# Altium PCB quahardware.PcbDoc
Units mm, origin at the board's own origin, x right, y up, seen from the top; angles counter-clockwise.
Board outline 80 x 75 mm, 2 copper layers (Top Layer, Bottom Layer); 57 components, 46 nets, 248 pads, 42 vias.
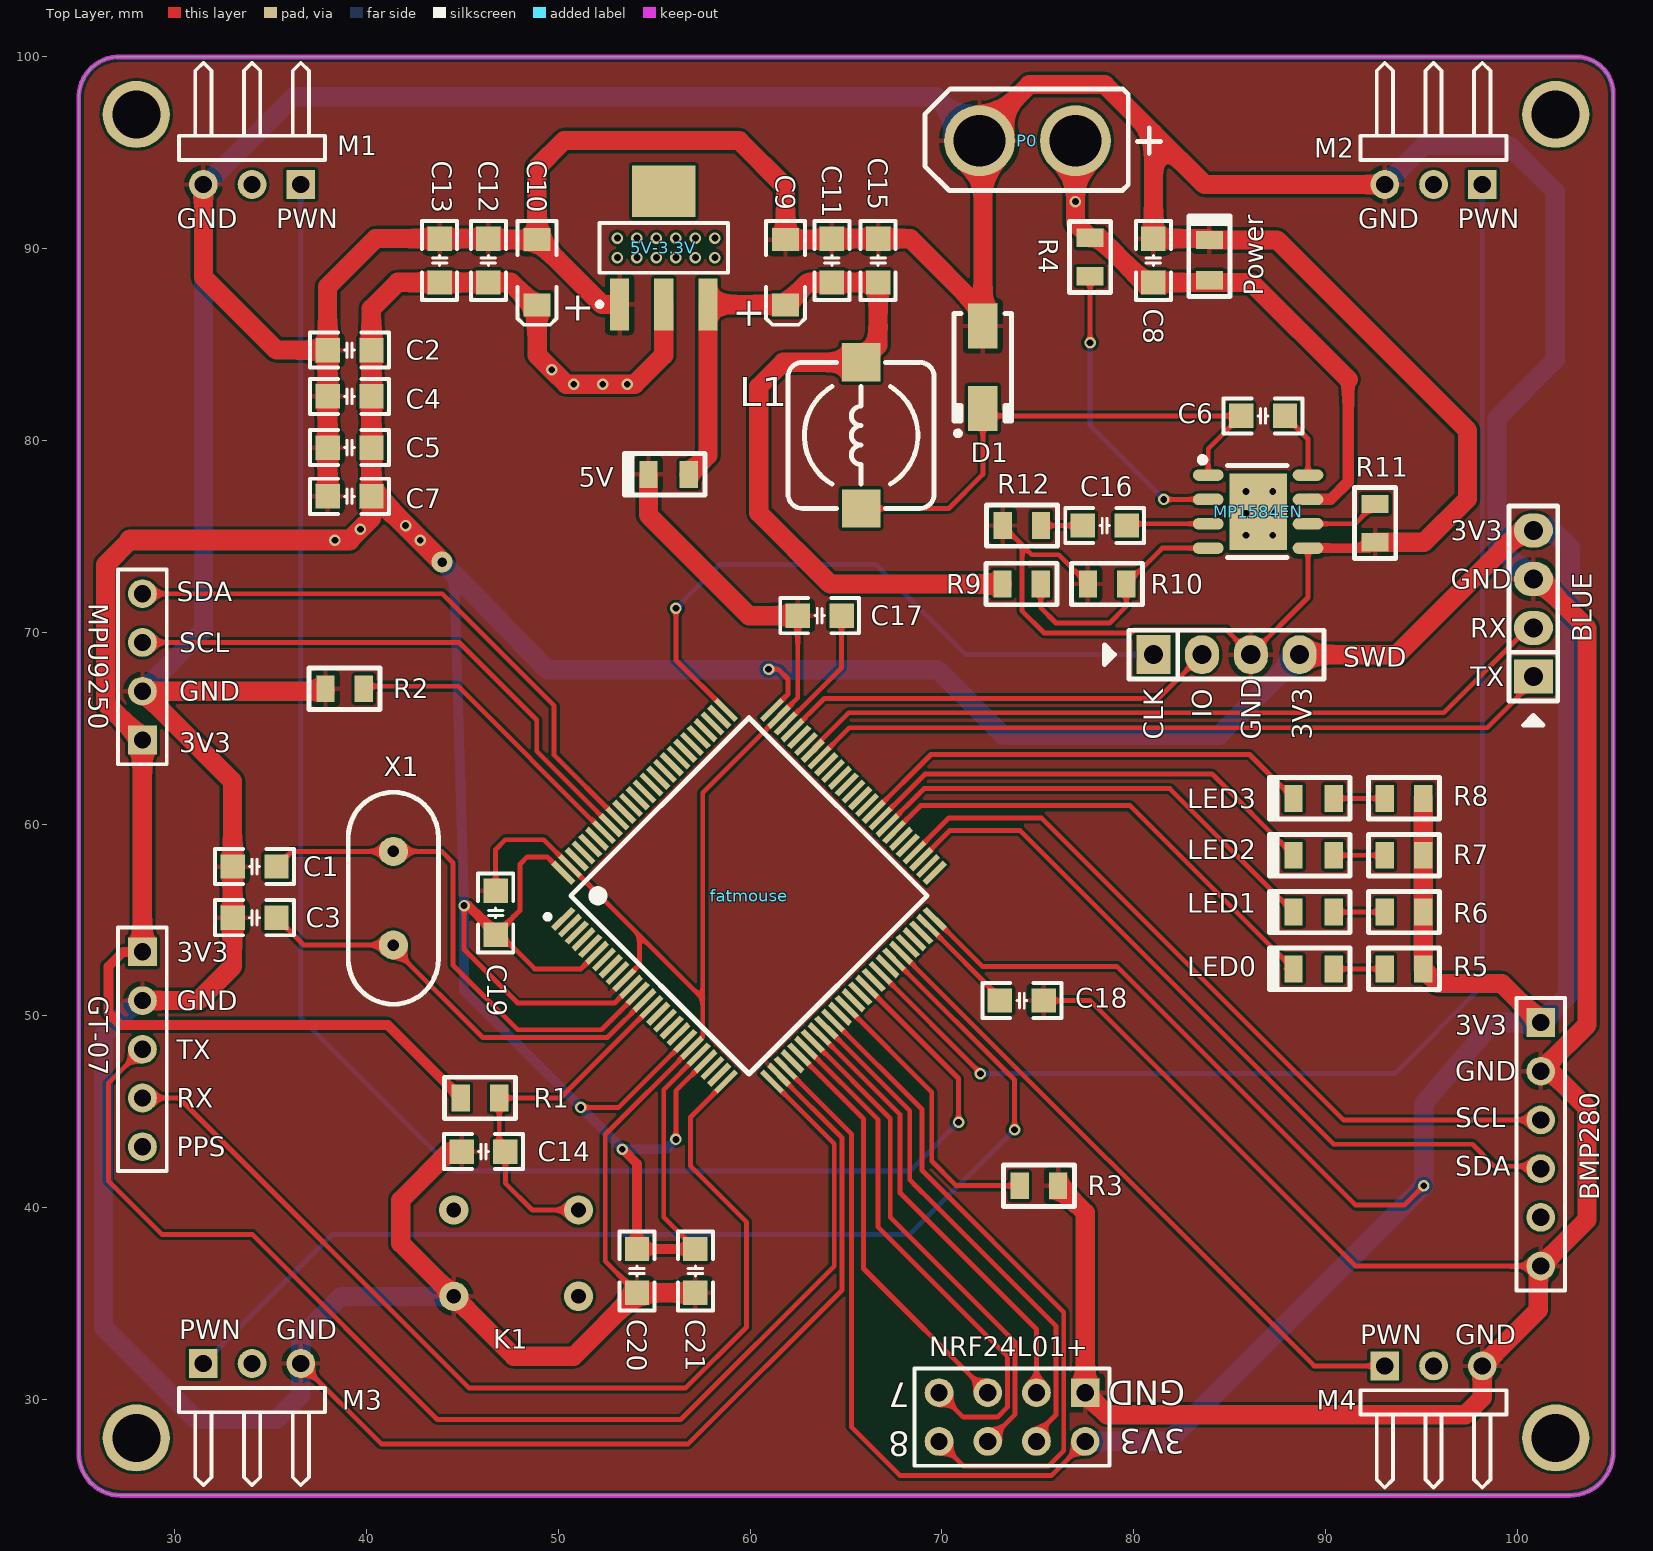
[diagram p0: Top Layer view]
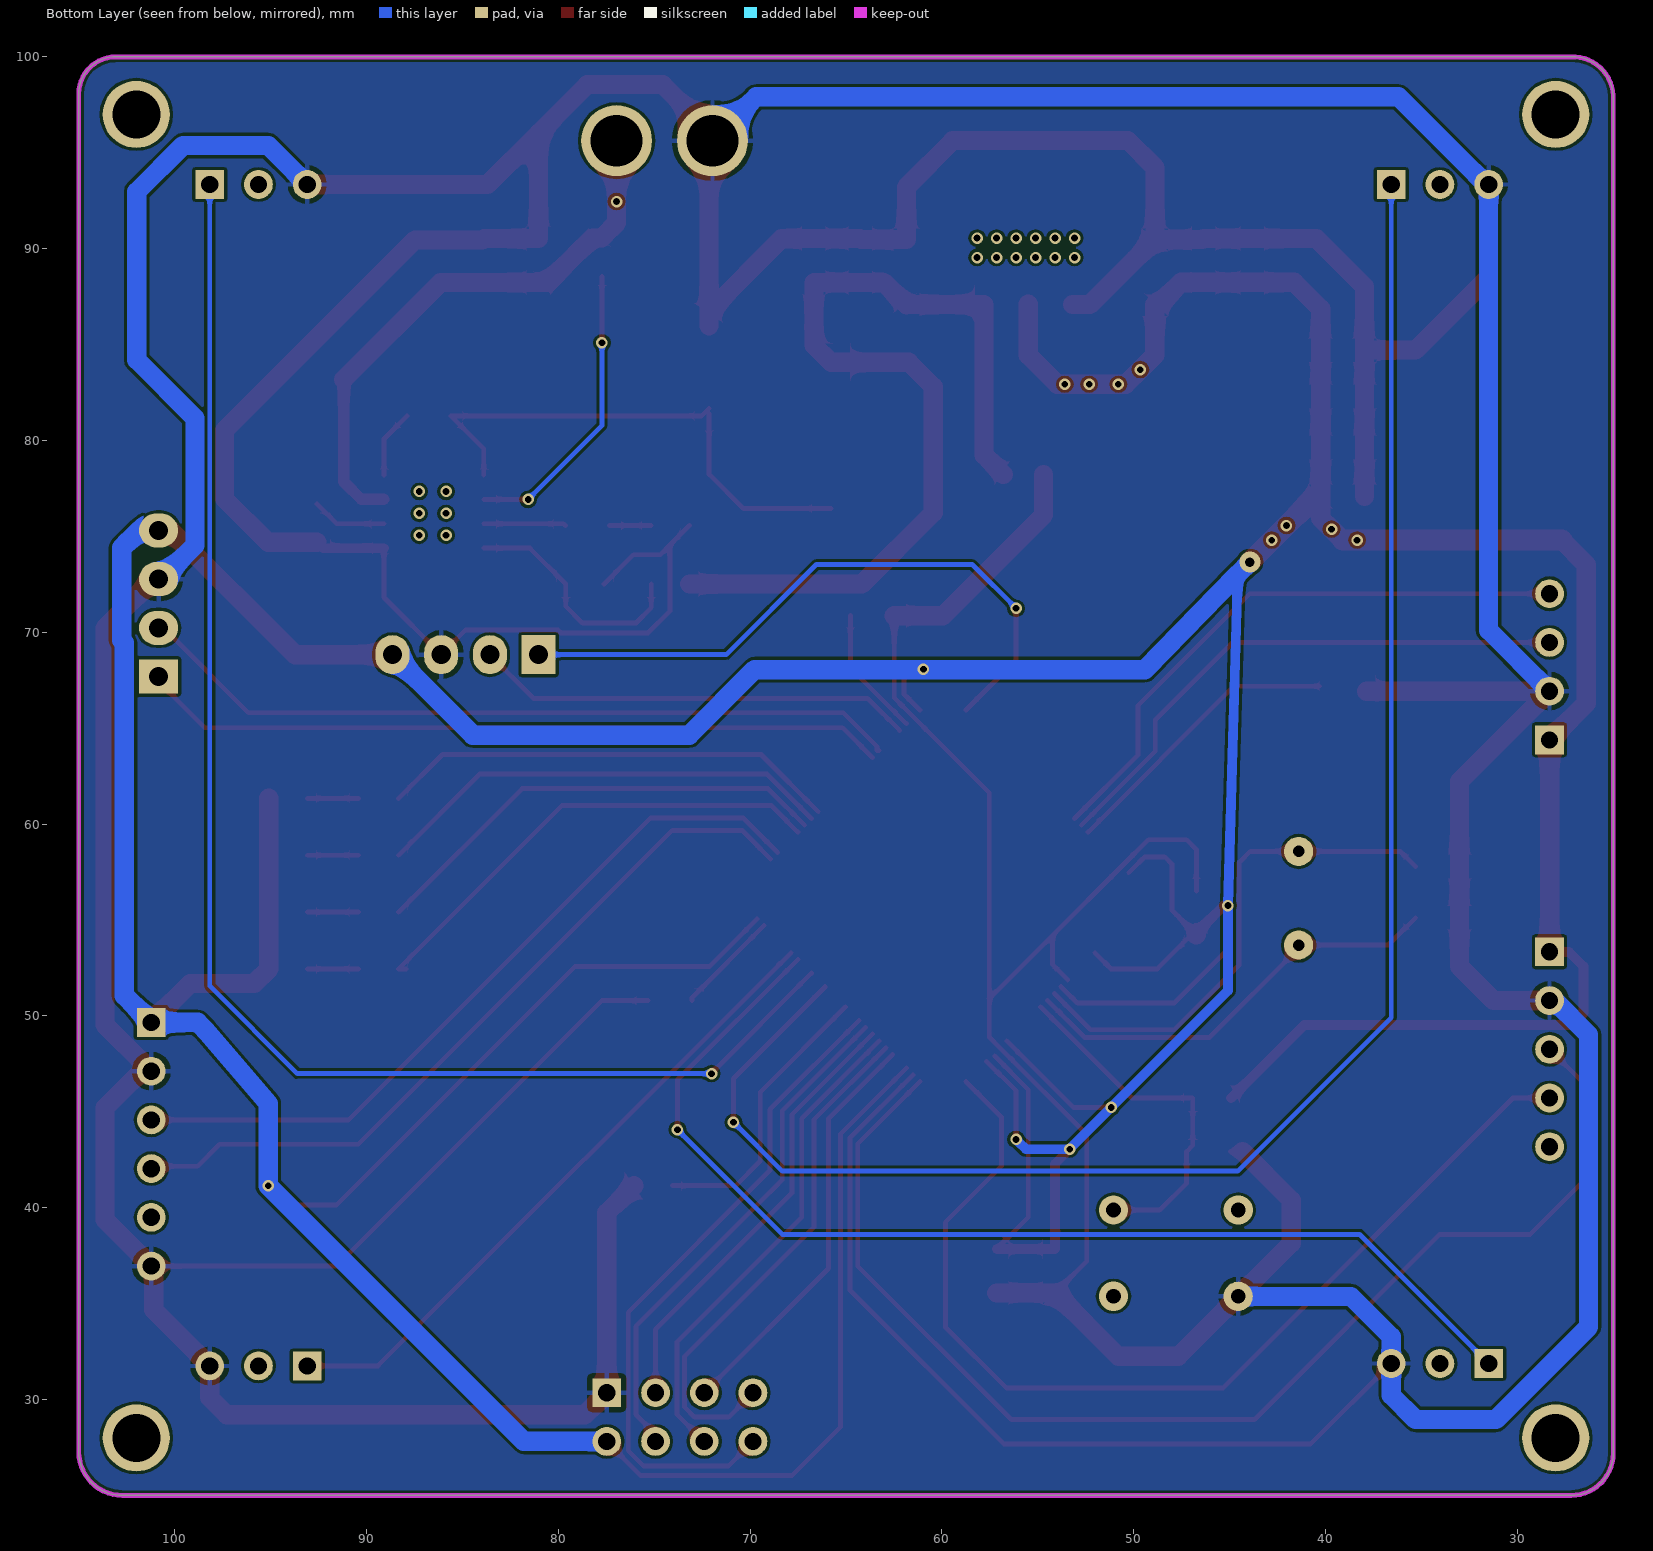
[diagram p1: Bottom Layer view, seen from below]
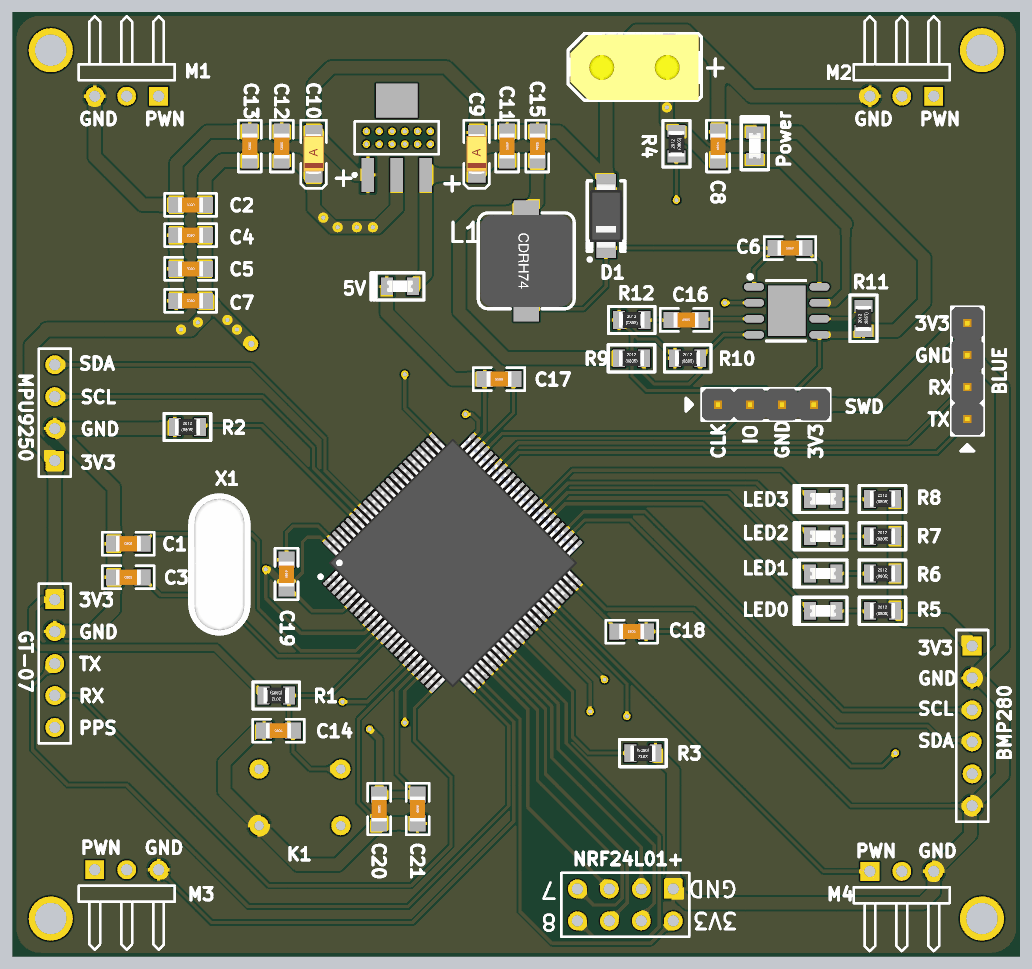
[diagram p2: 3D render of the assembled board from above, using the file's embedded part models]

## Layer stack, top to bottom
Top Solder: solder mask 0.0102, Solder Resist, Dk 3.5
Top Layer: signal copper 0.0356
Dielectric 1: dielectric 0.32, FR-4, Dk 4.8
Bottom Layer: signal copper 0.0356
Bottom Solder: solder mask 0.0102, Solder Resist, Dk 3.5

## Board outline
25,27.197 25,97.981 cw(c27.126,97.882) 26.975,100.004 26.975,100 103.073,100 cw(c103.073,98.073) 105,98.073 105,27.276 cw(c102.724,27.276) 102.724,25 27.197,25 cw(c27.197,27.197)

## Design rules (kind name [scope] priority, off if disabled: settings)
Clearance [All] p1: gap=0.147 ignorepadtopadclearanceinfootprint=FALSE
PolygonConnect [All] p1: connectstyle=Relief reliefconductorwidth=0.254 reliefentries=4 polygonreliefangle="90 Angle" airgapwidth=0.254
RoutingVias [All] p1: holewidth=0.711 width=1.27 viastyle="Through Hole" minholewidth=0.711 minwidth=1.27 maxholewidth=0.711 maxwidth=1.27
SolderMaskExpansion [All] p1: expansion=0.102
Width [InNet('3.3V')] p1: maxlimit=2.54 minlimit=0.254 preferedwidth=1.016
30 further rules are at their usual default settings.

## Components (designator, comment, footprint, x,y, rotation, side; value= is the part's Value field where it differs from the comment)
5V "BLUE" LED-0805 55.753,78.232 r180 top (schematic designator LED6)
5V-3.3V "LM1117-3.3" SOT223_M 55.499,90.043 r90 top
BLUE "Header 4" PIN-4-2.54-1.0 100.838,71.501 r90 top
BMP280 "Header 6" HDR1X6 101.219,49.657 r270 top
C1 "Cap" "C 0805" 34.163,57.785 r0 top value=22pF
C2 "Cap" "C 0805" 39.116,84.709 r180 top value=100pF
C3 "Cap" "C 0805" 34.163,55.118 r0 top value=22pF
C4 "Cap" "C 0805" 39.116,82.296 r180 top value=100pF
C5 "Cap" "C 0805" 39.116,79.629 r180 top value=100pF
C6 "Cap" "C 0805" 86.741,81.28 r180 top value=100nF
C7 "Cap" "C 0805" 39.116,77.089 r180 top value=100pF
C8 "Cap" "C 0805" 81.026,89.381 r90 top value=10uF
C9 "10uF" "CD A(3216)" 61.849,88.773 r90 top
C10 "10uF" "CD A(3216)" 48.895,88.773 r90 top
C11 "0.01uF" "C 0805" 64.262,89.381 r270 top
C12 "0.01uF" "C 0805" 46.355,89.381 r270 top
C13 "0.01uF" "C 0805" 43.815,89.381 r270 top
C14 "Cap" "C 0805" 46.101,42.926 r0 top value=100pF
C15 "Cap" "C 0805" 66.675,89.381 r90 top value=22uF
C16 "Cap" "C 0805" 78.486,75.565 r0 top value=150pF
C17 "Cap" "C 0805" 63.627,70.866 r180 top value=2.2uF
C18 "Cap" "C 0805" 74.168,50.8 r0 top value=2.2uF
C19 "Cap" "C 0805" 46.736,55.372 r90 top value=100nF
C20 "Cap" "C 0805" 54.102,36.703 r90 top value=1uF
C21 "Cap" "C 0805" 57.15,36.703 r90 top value=100nF
D1 "D Schottky" SMA 72.136,83.82 r270 top
fatmouse "STM32F407VET6" QFP-100-0.5 59.944,56.261 r45 top
GT-07 "Header 5" HDR1X5 28.321,53.34 r270 top
K1 "KEY_L" key 51.054,39.878 r180 top (schematic designator KEY1)
L1 "Inductor" CDRH74 65.786,80.264 r90 top value=4.7uH
LED0 "BLUE" LED-0805 89.374,52.451 r180 top
LED1 "BLUE" LED-0805 89.374,55.414 r180 top
LED2 "BLUE" LED-0805 89.374,58.378 r180 top
LED3 "BLUE" LED-0805 89.374,61.341 r180 top
M1 "Header 3H" HDR1X3H 36.576,93.345 r180 top (schematic designator MOTOR1)
M2 "Header 3H" HDR1X3H 98.171,93.345 r180 top (schematic designator MOTOR2)
M3 "Header 3H" HDR1X3H 31.496,31.877 r0 top (schematic designator MOTOR3)
M4 "Header 3H" HDR1X3H 93.091,31.75 r0 top (schematic designator MOTOR4)
MP1584EN "MP1584EN" LC-SOIC-8_EP_150mil 86.487,76.29 r270 top
MPU9250 "Header 4" HDR1X4 28.321,64.389 r90 top
NRF24L01+ "Header 4X2" HDR2X4 77.47,30.353 r180 top
P0 "Header 2" xt30 76.962,95.631 r180 top
Power "BLUE" LED-0805 83.947,89.408 r90 top (schematic designator LED5)
R1 "Res1" 0805 45.919,45.72 r180 top value=1K
R2 "Res1" 0805 38.862,67.056 r0 top value=1K
R3 "Res1" 0805 75.057,41.148 r180 top value=1K
R4 "Res1" 0805 77.724,89.563 r90 top value=100K
R5 "Res1" 0805 94.091,52.451 r0 top value=1K
R6 "Res1" 0805 94.091,55.414 r0 top value=1K
R7 "Res1" 0805 94.091,58.378 r0 top value=1K
R8 "Res1" 0805 94.091,61.341 r0 top value=1K
R9 "Res1" 0805 74.152,72.517 r0 top value=201K
R10 "Res1" 0805 78.613,72.517 r0 top value=40.2K
R11 "Res1" 0805 92.583,75.692 r90 top value=100K
R12 "Res1" 0805 74.168,75.565 r0 top value=100K
SWD "Header 4" PIN-4-2.54-1.0 84.836,68.834 r0 top
X1 "8MHz" HC49S 41.402,56.134 r270 top

## Footprints (in the part's own frame and the unit in brackets; to place one, negate y for a bottom-side part, rotate by r counter-clockwise, add the part's x,y. Pads: shape width x height; smd on the part's side, far side on the other; paste and mask are expansions set on the pad)
0805 [mm] "SMD, 0805"
  rect 0.95x1.4 smd: 1(-1,0) 2(1,0)
  silkscreen extent -1.85,-1.08 1.85,1.08, body extent -1,-0.62 1,0.63, height 0.45
"C 0805" [mil] "无极性贴片电容"
  rect 50x50 smd: 1(-45,0) 2(45,0)
  silkscreen extent -81,-36 81,36, body extent -39,-24 39,24, height 20
"CD A(3216)" [mm] "长3.2mm，宽1.6mm，厚1.6mm"
  rect 1.2x1.4 smd: 1(-1.7,0) 2(1.7,0)
  silkscreen extent -2.74,-1.02 2.67,1.02, body extent -1.6,-0.8 1.6,0.8, height 1.6
CDRH74 [mm] "7.3*7.3*4.5mm（长宽高）"
  rect 2x2 smd: 1(-3.81,0) 2(3.81,0)
  silkscreen extent -3.81,-3.81 3.81,3.81, body extent -3.65,-3.65 3.65,3.65, height 4.5
HC49S [mm] "CRYSTAL"
  round 1.524 hole 0.6: 1(-2.44,0) 2(2.44,0)
  silkscreen extent -5.52,-2.35 5.52,2.35, body extent -5.49,-2.24 5.49,2.25, height 3.6
HDR1X3H [mm] "Connector; Header; 3 Position; Right Angle"
  rect 1.5x1.5 hole 0.9: 1(0,0)
  round 1.5 hole 0.9: 2(2.54,0) 3(5.08,0)
  silkscreen extent -1.27,-6.35 6.35,-1.27
HDR1X4 [mm] "Connector; Header; 4 Position"
  rect 1.5x1.5 hole 0.9: 1(0,0)
  round 1.5 hole 0.9: 2(2.54,0) 3(5.08,0) 4(7.62,0)
  silkscreen extent -1.27,-1.27 8.89,1.27
HDR1X5 [mm] "Connector; Header; 5 Position"
  rect 1.5x1.5 hole 0.9: 1(0,0)
  round 1.5 hole 0.9: 2(2.54,0) 3(5.08,0) 4(7.62,0) 5(10.16,0)
  silkscreen extent -1.27,-1.27 11.43,1.27
HDR1X6 [mm] "Connector; Header; 6 Position"
  rect 1.5x1.5 hole 0.9: 1(0,0)
  round 1.5 hole 0.9: 2(2.54,0) 3(5.08,0) 4(7.62,0) 5(10.16,0) 6(12.7,0)
  silkscreen extent -1.27,-1.27 13.97,1.27
HDR2X4 [mm] "Connector; Header; 4x2 Position"
  rect 1.5x1.5 hole 0.9: 1(0,0)
  round 1.5 hole 0.9: 2(0,2.54) 3(2.54,0) 4(2.54,2.54) 5(5.08,0) 6(5.08,2.54) 7(7.62,0) 8(7.62,2.54)
  silkscreen extent -1.27,-1.27 8.89,3.81
key [mil]
  round 60 hole 30: 1(255.91,177.17) 2(0,0)
LC-SOIC-8_EP_150mil [mm]
  rect 4x3 smd: 0(0,0)
  oval 0.6x1.6 smd: 1(-1.905,-2.6) 2(-0.635,-2.6) 3(0.635,-2.6) 4(1.905,-2.6) 5(1.905,2.6) 6(0.635,2.6) 7(-0.635,2.6) 8(-1.905,2.6)
  silkscreen extent -2.85,-3.05 2.4,1.5
LED-0805 [mm] "LED, SMD, 0805"
  rect 0.95x1.4 smd: 1(-1.05,0) 2(1.05,0)
  silkscreen extent -1.9,-1.08 2.3,1.08, body extent -1.03,-0.46 1.03,0.45, height 0.85
PIN-4-2.54-1.0 [mil] "Pin Header"
  rect 70x80 hole 39.37: 1(-150,0)
  oval 70x80 hole 39.37: 2(-50,0) 3(50,0) 4(150,0)
  silkscreen extent -250,-50 200,50, body extent -200,-50 200,50, height 398
QFP-100-0.5 [mm] "QFP-100"
  rect 1.5x0.3 smd: 1(-7.7,6) 2(-7.7,5.5) 3(-7.7,5) 4(-7.7,4.5) 5(-7.7,4) 6(-7.7,3.5) 7(-7.7,3) 8(-7.7,2.5) 9(-7.7,2) 10(-7.7,1.5) 11(-7.7,1) 12(-7.7,0.5) 13(-7.7,0) 14(-7.7,-0.5) 15(-7.7,-1) 16(-7.7,-1.5) 17(-7.7,-2) 18(-7.7,-2.5) 19(-7.7,-3) 20(-7.7,-3.5) 21(-7.7,-4) 22(-7.7,-4.5) 23(-7.7,-5) 24(-7.7,-5.5) 25(-7.7,-6) 51(7.7,-6) 52(7.7,-5.5) 53(7.7,-5) 54(7.7,-4.5) 55(7.7,-4) 56(7.7,-3.5) 57(7.7,-3) 58(7.7,-2.5) 59(7.7,-2) 60(7.7,-1.5) 61(7.7,-1) 62(7.7,-0.5) 63(7.7,0) 64(7.7,0.5) 65(7.7,1) 66(7.7,1.5) 67(7.7,2) 68(7.7,2.5) 69(7.7,3) 70(7.7,3.5) 71(7.7,4) 72(7.7,4.5) 73(7.7,5) 74(7.7,5.5) 75(7.7,6)
  rect 0.3x1.5 smd: 26(-6,-7.7) 27(-5.5,-7.7) 28(-5,-7.7) 29(-4.5,-7.7) 30(-4,-7.7) 31(-3.5,-7.7) 32(-3,-7.7) 33(-2.5,-7.7) 34(-2,-7.7) 35(-1.5,-7.7) 36(-1,-7.7) 37(-0.5,-7.7) 38(0,-7.7) 39(0.5,-7.7) 40(1,-7.7) 41(1.5,-7.7) 42(2,-7.7) 43(2.5,-7.7) 44(3,-7.7) 45(3.5,-7.7) 46(4,-7.7) 47(4.5,-7.7) 48(5,-7.7) 49(5.5,-7.7) 50(6,-7.7) 76(6,7.7) 77(5.5,7.7) 78(5,7.7) 79(4.5,7.7) 80(4,7.7) 81(3.5,7.7) 82(3,7.7) 83(2.5,7.7) 84(2,7.7) 85(1.5,7.7) 86(1,7.7) 87(0.5,7.7) 88(0,7.7) 89(-0.5,7.7) 90(-1,7.7) 91(-1.5,7.7) 92(-2,7.7) 93(-2.5,7.7) 94(-3,7.7) 95(-3.5,7.7) 96(-4,7.7) 97(-4.5,7.7) 98(-5,7.7) 99(-5.5,7.7) 100(-6,7.7)
  silkscreen extent -8.33,-6.57 6.57,6.78, body extent -8.02,-8.02 8.01,8.01, height 1.6
SMA [mm] "DO-214AC"
  rect 2.35x1.55 smd: 1(-2.15,0) 2(2.15,0)
  silkscreen extent -2.8,-1.5 3.58,1.5, body extent -2.6,-1.3 2.6,1.3, height 2.64
SOT223_M [mm] "SOT223, 4-Leads, Body 6.5x3.5mm, Pitch 2.3mm, Lead Span 7mm, IPC Low Density"
  rect 2.7x1 smd: 1(-2.95,2.3) 2(-2.95,0) 3(-2.95,-2.3)
  rect 2.7x3.3 smd: 4(2.95,0)
  silkscreen extent -3.07,-3.35 1.3,3.47, body extent -1.85,-3.35 1.85,3.35, height 1.7
xt30 [mm]
  round 3.7 hole 2.7: 1(0,0) 2(5,0)
  silkscreen extent -4.45,-2.7 7.85,2.6, body extent -2.62,-2.7 7.78,2.6, height 12.6

## Part data
5V LED0 LED1 LED2 LED3 Power: library part LED
BLUE MPU9250 SWD: "Header, 4-Pin", LatestRevisionDate=17-Jul-2002, LatestRevisionNote="Re-released for DXP Platform.", Publisher="Altium Limited"
BMP280: "Header, 6-Pin", LatestRevisionDate=17-Jul-2002, LatestRevisionNote="Re-released for DXP Platform.", Publisher="Altium Limited"
C1 C2 C3 C4 C5 C6 C7 C8 C14 C15 C16 C17 C18 C19 C20 C21: "Capacitor", LatestRevisionDate=17-Jul-2002, LatestRevisionNote="Re-released for DXP Platform.", PackageDescription="Radial Cap, Thru-Hole; 2 Leads; 0.3 in Pin Spacing", PackageReference=RAD-0.3, Published=8-Jun-2000, Publisher="Altium Limited"
C9 C10: library part CAP
C11 C12 C13: library part C
D1: "Schottky Diode", Code_JEDEC=DO-214-AA, LatestRevisionDate=17-Jul-2002, LatestRevisionNote="Re-released for DXP Platform.", PackageDescription="DO-214-AA/SMB; 2 C-Bend Leads; Body 5.3 x 3.6 mm, inc. leads (LxW)", PackageReference=SMB, Published=8-Jun-2000, Publisher="Altium Limited"
GT-07: "Header, 5-Pin", LatestRevisionDate=17-Jul-2002, LatestRevisionNote="Re-released for DXP Platform.", Publisher="Altium Limited"
K1: library part KEY
M1 M2 M3 M4: "Header, 3-Pin, Right Angle", LatestRevisionDate=17-Jul-2002, LatestRevisionNote="Re-released for DXP Platform.", Publisher="Altium Limited"
NRF24L01+: "Header, 4-Pin, Dual row", LatestRevisionDate=17-Jul-2002, LatestRevisionNote="Re-released for DXP Platform.", Publisher="Altium Limited"
P0: "Header, 2-Pin", LatestRevisionDate=17-Jul-2002, LatestRevisionNote="Re-released for DXP Platform.", Publisher="Altium Limited"
R1 R2 R3 R4 R5 R6 R7 R8 R9 R10 R11 R12: "Resistor", LatestRevisionDate=17-Jul-2002, LatestRevisionNote="Re-released for DXP Platform.", PackageDescription="Axial Device, Thru-Hole; 2 Leads; 0.3 in Pin Spacing", PackageReference=AXIAL-0.3, Published=8-Jun-2000, Publisher="Altium Limited"
X1: library part XTAL-2, "Crystal"
L1: Code_IEC=1005, Code_JEITA=0402, LatestRevisionDate=29-May-2009, LatestRevisionNote="IPC-7351 Footprint Added.", PackageDescription="Chip Inductor", PackageReference=0402-A, Published=8-Jun-2000, Publisher="Altium Limited"

## Free pads (board coordinates)
  round 3.5 hole 2.5: 0(28,28) 0(28,97) 0(102,28) 0(102,97)

## Via types
v1: diameter 0.6, hole 0.35, Top Layer to Bottom Layer, 39 vias
v2: diameter 1.524, hole 0.762, Top Layer to Bottom Layer, 2 vias
v3: diameter 1.1, hole 0.5, Top Layer to Bottom Layer, 1 vias

## Nets (pads, with @x,y where several pads share a name; then routed paths per layer and width w, separated by ;. In a path a pad name is that pad's centre, name@x,y a point inside that pad or via, vN(x,y) a via of type N, cw(c..) or ccw(c..) an arc to the next point about the centre after c; other vN are vias at no path point)
3.3V: 5V-3.3V.2 BLUE.4 BMP280.1 C2.1 C4.1 C5.1 C7.1 C10.1 C12.2 C13.2 C19.1 C20.2 C21.2 fatmouse.6 fatmouse.11 fatmouse.19 fatmouse.21 fatmouse.22 fatmouse.28 fatmouse.50 fatmouse.75 fatmouse.100 GT-07.1 MPU9250.1 NRF24L01+.2 R1.2 R5.2 R6.2 R7.2 R8.2 SWD.4 | length 409
  Top Layer w0.254: v1(45.085,55.753) 45.085,53.467 47.879,50.673 52.942,50.673 fatmouse.11 ; C19.1 48.006,55.499 48.006,57.912 48.387,58.293 49.427,58.293 fatmouse.100 ; C19.1@46.99,54.229 48.768,52.451 51.184,52.451 fatmouse.6 ; v1(51.178,45.227) 53.152,45.227 fatmouse.19 ; v1(56.134,43.561) 56.134,46.087 fatmouse.22 ; C21.2 55.499,39.497 55.499,46.159 fatmouse.21@57.248,47.908 ; v1(60.96,68.072) 61.468,68.072 61.976,67.564 61.976,66.778 fatmouse.75 ; fatmouse.28 65.278,43.856 65.278,28.575 67.818,26.035 75.692,26.035 NRF24L01+.2 ; fatmouse.50 72.112,52.578 79.121,52.578 91.567,40.132 94.107,40.132 v1(95.123,41.148)
  Top Layer w0.5: 26.543,52.578 27.305,53.34 GT-07.1 ; v1(45.085,55.753) 45.302,55.753 C19.1@46.736,54.319 ; v1(53.34,43.053) 54.102,42.291 C20.2 C21.2
  Top Layer w0.524: 26.543,52.578 26.543,50.165 27.178,49.53 41.109,49.53 R1.2
  Top Layer w1.016: 27.686,74.803 26.416,73.533 26.416,66.294 MPU9250.1 GT-07.1 ; 39.116,74.803 v1(39.688,75.374) 40.259,75.946 C7.1 ; C7.1@40.513,77.089 C7.1 ; C19.1 C19.1@46.736,54.319 ; 5V-3.3V.2 55.499,84.455 53.975,82.931 v1(53.594,82.931) v1(52.324,82.931) v1(50.8,82.931) 50.419,82.931 v1(49.657,83.693) 48.895,84.455 C10.1 48.69,87.073 47.525,88.238 C12.2 C13.2 41.629,88.238 40.259,86.868 C2.1 C4.1 C5.1 C7.1 ; SWD.4 93.726,68.834 100.203,75.311 BLUE.4 BLUE.4@101.092,75.311 ; R8.2 R7.2 R6.2 R5.2 95.853,51.689 99.187,51.689 BMP280.1
  Top Layer w1.1: 27.686,74.803 v1(38.354,74.803) 39.116,74.803 ; C7.1@40.513,77.089 v1(42.037,75.565) v1(42.799,74.803) v3(43.942,73.66)
  Bottom Layer w0.5: 44.577,73.025 v1(45.085,55.753) 45.085,51.32 v1(51.178,45.227) 51.178,45.215 v1(53.34,43.053) 55.626,43.053 v1@56.007,43.434
  Bottom Layer w1.016: v3(43.942,73.66) 44.577,73.025 49.423,68.052 69.763,68.052 73.172,64.643 84.455,64.643 SWD.4 ; NRF24L01+.2 81.788,27.813 v1(95.123,41.148) 95.123,45.424 98.425,49.276 98.806,49.657 BMP280.1 102.616,51.054 102.616,69.444 102.763,69.591 102.763,74.402 101.854,75.311 BLUE.4@101.092,75.311
5V: 5V-3.3V.3 5V.1 C9.1 C11.2 C15.1 L1.2 R9.1 | length 49.8
  Top Layer w0.254: C9.1@61.829,87.093 C9.1
  Top Layer w1: 5V.1 57.799,79.228 5V-3.3V.3 C9.1@61.829,87.093 ; C9.1 63.014,88.238 C11.2 C15.1 66.675,84.963 L1.2 61.722,84.074 60.452,82.804 60.452,76.234 64.169,72.517 R9.1
BLUE_RX: BLUE.2 fatmouse.69 | length 40.6
  Top Layer w0.254: fatmouse.69 63.375,63.827 63.375,64.042 65.139,65.806 96.159,65.806 100.584,70.231 BLUE.2 BLUE.2@101.092,70.231
BLUE_TX: BLUE.1 fatmouse.68 | length 39.2
  Top Layer w0.254: fatmouse.68 65.171,65.024 98.425,65.024 BLUE.1@101.092,67.691
BMP_SCL: BMP280.3 fatmouse.54 | length 39.8
  Top Layer w0.254: fatmouse.54 70.372,60.325 75.184,60.325 90.932,44.577 BMP280.3@101.092,44.577
BMP_SDA: BMP280.4 fatmouse.53 | length 40
  Top Layer w0.254: fatmouse.53 70.424,59.67 74.061,59.67 90.424,43.307 97.663,43.307 98.806,42.164 BMP280.4@101.092,42.164
BOOT0: fatmouse.94 R2.2 | length 15.2
  Top Layer w0.254: R2.2@40.315,67.183 44.779,67.183 fatmouse.94
BOOT1: fatmouse.37 R3.2 | length 15
  Top Layer w0.254: fatmouse.37 69.469,46.029 69.469,42.434 70.755,41.148 R3.2
BST: C6.1 MP1584EN.8 | length 3.6
  Top Layer w0.254: C6.1 89.087,80.077 MP1584EN.8
CH1: fatmouse.40 M1.1 | length 91
  Top Layer w0.254: fatmouse.40 66.096,51.506 70.866,46.736 v1(70.866,44.45)
  Bottom Layer w0.254: M1.1@36.576,93.218 36.576,49.911 44.577,41.91 68.326,41.91 v1(70.866,44.45)
CH2: fatmouse.42 M2.1 | length 77.3
  Top Layer w0.254: fatmouse.42@66.803,52.196 fatmouse.42 72.009,47.024 v1(72.009,46.99)
  Bottom Layer w0.254: v1(72.009,46.99) 93.599,46.99 98.171,51.562 M2.1
CH3: fatmouse.44 M3.1 | length 58.8
  Top Layer w0.254: fatmouse.44 73.787,46.661 v1(73.787,44.069)
  Bottom Layer w0.254: M3.1 38.227,38.608 68.326,38.608 v1(73.787,44.069)
CH4: fatmouse.45 M4.1 | length 34.2
  Top Layer w0.254: fatmouse.45 89.405,31.75 M4.1
COMP: C16.2 MP1584EN.3 | length 4.3
  Top Layer w0.254: C16.2 79.719,75.655 MP1584EN.3
EN: MP1584EN.2 R4.1 | length 15.5
  Top Layer w0.254: v1(77.724,85.09) R4.1 ; v1(81.571,76.925) MP1584EN.2
  Bottom Layer w0.254: v1(77.724,85.09) 77.724,80.772 v1(81.571,76.925)
FB: MP1584EN.4 R9.2 R10.2 | length 12.6
  Top Layer w0.254: R9.2 75.152,71.279 75.946,70.485 78.74,70.485 79.613,71.358 R10.2 81.481,74.385 MP1584EN.4
FREQ: MP1584EN.6 R11.2 | length 3.9
  Top Layer w0.254: MP1584EN.6 91.546,75.655 R11.2
GND: 5V-3.3V.1 5V.2 BLUE.3 BMP280.2 BMP280.6 C1.1 C2.2 C3.1 C4.2 C5.2 C7.2 C8.2 C9.2 C10.2 C11.1 C12.1 C13.1 C14.1 C15.2 C17.2 C18.2 C19.2 C20.1 C21.1 D1.1 fatmouse.10 fatmouse.20 fatmouse.27 fatmouse.74 fatmouse.99 GT-07.2 K1.1 M1.3 M2.3 M3.3 M4.3 MP1584EN.5 MPU9250.2 NRF24L01+.1 P0.2 Power.2 R2.1 R3.1 R10.1 R11.1 R12.1 SWD.3 | length 610.1
  Top Layer w0.254: M3.3 40.767,27.686 56.769,27.686 64.79,35.707 64.79,43.637 fatmouse.27 ; R2.1@37.862,66.929 R2.1@37.973,66.929 ; C14.1@44.323,42.926 C14.1 ; C12.1 C12.1@46.406,90.473 ; C19.2 46.736,58.674 47.244,59.182 49.245,59.182 fatmouse.99 54.229,54.198 ; fatmouse.10 54.229,52.667 54.229,54.198 ; C20.1 52.451,37.211 52.451,43.818 fatmouse.20 57.531,48.898 57.531,50.896 ; C17.2 62.484,66.579 fatmouse.74 57.531,61.626 57.531,50.896 ; C11.1@64.211,90.473 C11.1 ; P0.2 P0.2@71.962,95.965 ; R12.1 74.184,74.549 ; C18.2 77.724,50.8 91.567,36.957 BMP280.6@101.092,36.957 ; R10.1 76.089,74.041 74.692,74.041 74.184,74.549 ; Power.2@83.881,90.524 Power.2 ; MP1584EN.5 89.087,71.815 SWD.3 84.816,70.124 80.024,70.124 79.861,69.961 75.327,69.961 74.184,71.104 74.184,74.549 ; R11.1@92.276,74.385 R11.1 ; 54.229,54.198 57.531,50.896
  Top Layer w0.5: MP1584EN.5 R11.1@92.276,74.385
  Top Layer w1: GT-07.2 31.242,50.8 33.02,52.578 C3.1 C1.1 33.02,62.23 MPU9250.2 R2.1@37.862,66.929 ; M1.3@31.496,93.218 31.496,88.519 35.306,84.709 C2.2 ; C7.2 C5.2 C4.2 C2.2 ; C14.1@44.323,42.926 41.783,40.386 41.783,38.149 K1.1 47.674,32.258 50.8,32.258 C20.1 C21.1 ; C12.1 C13.1 40.486,90.524 37.973,88.011 C2.2 ; C12.1@46.406,90.473 C10.2 ; 5V-3.3V.1 52.275,87.093 C10.2 ; 5V.2 54.703,76.107 59.944,70.866 C17.2 ; C11.1@64.211,90.473 C9.2 61.849,93.218 59.436,95.631 50.292,95.631 48.895,94.234 C10.2 ; C11.1 C15.2 68.353,90.524 D1.1@72.136,86.741 ; P0.2 72.136,95.457 D1.1@72.136,86.741 ; P0.2@71.962,95.965 74.549,98.552 78.486,98.552 81.026,96.012 ; D1.1 D1.1@72.136,86.741 ; R3.1 77.47,39.735 NRF24L01+.1 78.613,29.21 97.282,29.21 98.171,30.099 M4.3 101.092,34.671 BMP280.6@101.092,36.957 ; Power.2@83.881,90.524 C8.2 81.026,96.012 ; Power.2 87.469,90.458 97.409,80.518 97.409,76.962 95.139,74.692 R11.1 ; M2.3 83.693,93.345 81.026,96.012 ; BLUE.3@101.092,72.771 103.632,70.231 103.632,49.53 101.473,47.371 103.632,45.212 103.632,39.37 BMP280.6
  Bottom Layer w0.254: GT-07.2@28.067,50.8 GT-07.2 ; BLUE.3@100.711,72.771 BLUE.3 BLUE.3@101.092,72.771
  Bottom Layer w1: GT-07.2@28.067,50.8 26.289,49.022 26.289,33.782 31.115,28.956 35.306,28.956 36.576,30.226 M3.3 36.576,33.274 38.68,35.378 K1.1 ; MPU9250.2 31.496,70.104 31.496,93.218 36.195,97.917 69.676,97.917 P0.2 ; M2.3 95.123,95.377 99.568,95.377 101.981,92.964 101.981,84.201 98.945,81.165 98.945,74.537 BLUE.3@100.711,72.771
GT_RXD: fatmouse.25 GT-07.4 | length 53.8
  Top Layer w0.254: GT-07.4 30.226,45.72 45.339,30.607 56.642,30.607 59.817,33.782 59.817,39.243 56.896,42.164 56.896,44.728 fatmouse.25
GT_TXD: fatmouse.26 GT-07.3 | length 64.9
  Top Layer w0.254: GT-07.3 26.543,46.482 26.543,41.402 29.337,38.608 34.036,38.608 43.688,28.956 56.388,28.956 64.389,36.957 64.389,43.331 fatmouse.26
IMU_SCL: fatmouse.93 MPU9250.3 | length 29.3
  Top Layer w0.254: MPU9250.3 44.831,69.469 48.875,65.425 48.875,63.794 fatmouse.93
IMU_SDA: fatmouse.92 MPU9250.4 | length 31.1
  Top Layer w0.254: MPU9250.4 43.942,72.009 49.784,66.167 49.784,63.593 fatmouse.92
LED0: fatmouse.57 LED0.2 | length 25.3
  Top Layer w0.254: fatmouse.57 68.886,60.96 79.815,60.96 LED0.2 LED0.2@87.936,52.451
LED1: fatmouse.58 LED1.2 | length 24.6
  Top Layer w0.254: fatmouse.58 69.068,61.849 81.889,61.849 LED1.2
LED2: fatmouse.59 LED2.2 | length 24.2
  Top Layer w0.254: fatmouse.59 69.122,62.611 84.091,62.611 LED2.2
LED3: fatmouse.60 LED3.2 | length 24.1
  Top Layer w0.254: fatmouse.60 69.431,63.627 86.038,63.627 LED3.2
NetC16_1: C16.1 R12.2 | length 2.2
  Top Layer w0.254: R12.2 C16.1
NetLED0_1: LED0.1 R5.1 | length 2.7
  Top Layer w0.254: LED0.1 R5.1
NetLED1_1: LED1.1 R6.1 | length 2.7
  Top Layer w0.254: LED1.1 R6.1
NetLED2_1: LED2.1 R7.1 | length 2.7
  Top Layer w0.254: LED2.1 R7.1
NetLED3_1: LED3.1 R8.1 | length 2.7
  Top Layer w0.254: LED3.1 R8.1
NRF_CE: fatmouse.33 NRF24L01+.3 | length 23.4
  Top Layer w0.254: fatmouse.33 67.818,44.851 67.818,40.767 74.93,33.655 NRF24L01+.3
NRF_CSN: fatmouse.34 NRF24L01+.4 | length 27.1
  Top Layer w0.254: fatmouse.34 68.326,45.051 68.326,41.447 68.7,41.074 69.313,40.461 69.619,40.154 75.954,33.819 75.954,29.218 74.739,28.003 NRF24L01+.4
NRF_IRQ: fatmouse.35 NRF24L01+.8 | length 34.8
  Top Layer w0.254: fatmouse.35 68.961,45.123 68.961,41.947 76.355,34.553 76.355,27.333 75.565,26.543 71.12,26.543 NRF24L01+.8
NRF_MISO: fatmouse.31 NRF24L01+.7 | length 27.4
  Top Layer w0.254: fatmouse.31 66.675,44.58 66.675,38.989 73.414,32.25 73.414,29.599 72.898,29.083 71.12,29.083 NRF24L01+.7
NRF_MOSI: fatmouse.32 NRF24L01+.6 | length 25.8
  Top Layer w0.254: fatmouse.32 67.31,44.652 67.31,39.497 73.815,32.992 73.815,29.238 NRF24L01+.6
NRF_SCK: fatmouse.30 NRF24L01+.5 | length 21.7
  Top Layer w0.254: fatmouse.30 65.913,44.635 65.913,36.83 NRF24L01+.5
OSC_IN: C1.2 fatmouse.12 X1.1 | length 26.9
  Top Layer w0.254: C1.2 36.095,58.574 X1.1 43.915,58.574 44.511,57.978 44.511,52.644 47.879,49.276 52.252,49.276 fatmouse.12
OSC_OUT: C3.2 fatmouse.13 X1.2 | length 22.7
  Top Layer w0.254: C3.2 36.73,53.694 X1.2 41.402,53.535 46.062,48.875 52.558,48.875 fatmouse.13
RST: C14.2 fatmouse.14 K1.2 R1.1 | length 18.9
  Top Layer w0.254: K1.2 48.641,39.878 47.244,41.275 C14.2 46.919,43.251 R1.1 50.11,45.72 fatmouse.14
SW: C6.2 D1.2 L1.1 MP1584EN.1 | length 27.7
  Top Layer w0.254: L1.1 70.358,76.454 72.136,78.232 D1.2@72.136,81.407 ; D1.2 72.526,81.28 C6.2 83.887,79.569 MP1584EN.1
SWCLK: fatmouse.76 SWD.1 | length 34.2
  Top Layer w0.254: v1(56.134,71.247) 56.134,68.556 fatmouse.76
  Bottom Layer w0.254: v1(56.134,71.247) 58.42,73.533 66.548,73.533 71.247,68.834 SWD.1
SWDIO: fatmouse.72 SWD.2 | length 23
  Top Layer w0.254: fatmouse.72 63.867,66.548 81.28,66.548 SWD.2
VCAP_1: C18.1 fatmouse.49 | length 5.5
  Top Layer w0.254: fatmouse.49 73.025,50.958 C18.1
VCAP_2: C17.1 fatmouse.73 | length 6.8
  Top Layer w0.254: fatmouse.73 64.77,68.158 C17.1
VIN: C8.1 MP1584EN.7 P0.1 Power.1 R4.2 | length 29.8
  Top Layer w0.254: Power.1@83.772,88.238 Power.1@83.947,88.063
  Top Layer w0.6: MP1584EN.7 90.26,76.925 91.186,77.851 91.186,83.185
  Top Layer w1: P0.1 v1(76.962,92.456) 76.962,91.337 R4.2@77.597,90.702 ; R4.2 78.22,90.563 80.545,88.238 C8.1 83.772,88.238 86.133,88.238 91.186,83.185
pads on no net: 5V-3.3V.4 BMP280.5 fatmouse.1 fatmouse.2 fatmouse.3 fatmouse.4 fatmouse.5 fatmouse.7 fatmouse.8 fatmouse.9 fatmouse.15 fatmouse.16 fatmouse.17 fatmouse.18 fatmouse.23 fatmouse.24 fatmouse.29 fatmouse.36 fatmouse.38 fatmouse.39 fatmouse.41 fatmouse.43 fatmouse.46 fatmouse.47 fatmouse.48 fatmouse.51 fatmouse.52 fatmouse.55 fatmouse.56 fatmouse.61 fatmouse.62 fatmouse.63 fatmouse.64 fatmouse.65 fatmouse.66 fatmouse.67 fatmouse.70 fatmouse.71 fatmouse.77 fatmouse.78 fatmouse.79 fatmouse.80 fatmouse.81 fatmouse.82 fatmouse.83 fatmouse.84 fatmouse.85 fatmouse.86 fatmouse.87 fatmouse.88 fatmouse.89 fatmouse.90 fatmouse.91 fatmouse.95 fatmouse.96 fatmouse.97 fatmouse.98 GT-07.5 M1.2 M2.2 M3.2 M4.2 MP1584EN.0
copper on no net:
  other v1: 85.852,75.057 87.249,75.057 85.852,76.2 87.249,76.2 85.852,77.343 87.249,77.343 53.086,89.535 54.102,89.535 55.118,89.535 56.134,89.535 57.15,89.535 58.166,89.535 53.086,90.551 54.102,90.551 55.118,90.551 56.134,90.551 57.15,90.551 58.166,90.551
  other v2: 51.054,35.378 44.554,39.878

## Polygon pours and split planes (outlines as drawn)
GND on Top Layer "Top Layer-No Net" (solid, remove dead copper, pour order 18): 19.685,102.87 113.919,102.87 115.316,101.473 108.458,94.615 108.458,19.685 10.033,19.685 9.906,19.558
GND on Bottom Layer "Top Layer-No Net" (solid, remove dead copper, pour order 20): 21.717,102.997 21.844,102.87 121.031,102.87 121.031,26.162 113.792,18.923 111.252,21.463 21.59,21.463

## Keep-outs
Keep-Out Layer:
  lines w0.254: 26.975,100 103.073,100 cw(c103.073,98.073) 105,98.073 105,27.276 cw(c102.724,27.276) 102.724,25 27.197,25 cw(c27.197,27.197) 25,27.197 25,97.981 cw(c27.126,97.882) 26.975,100.004

## Silkscreen, mask and mechanical layers (free items; w line width, h text height)
Top Overlay:
  text "GND" at 30.099,91.059 h1
  text "PWN" at 35.306,91.059 h1
  text "GND" at 91.694,91.059 h1
  text "PWN" at 96.901,91.059 h1
  text "+" at 59.309,87.503 h1.52 r270
  text "+" at 50.165,86.233 h1.52
  text "3V3" at 96.52,74.803 h1
  text "GND" at 96.52,72.263 h1
  text "SDA" at 30.099,71.628 h1
  text "RX" at 97.536,69.723 h1
  text "SCL" at 30.226,68.961 h1
  text "TX" at 97.536,67.183 h1
  text "GND" at 30.226,66.421 h1
  text "IO" at 84.074,65.532 h1 r90
  text "CLK" at 81.534,64.389 h1 r90
  text "GND" at 86.614,64.389 h1 r90
  text "3V3" at 89.281,64.389 h1 r90
  text "3V3" at 30.226,63.754 h1
  text "3V3" at 30.099,52.832 h1
  text "GND" at 30.099,50.292 h1
  text "3V3" at 96.774,49.022 h1
  text "TX" at 30.099,47.752 h1
  text "GND" at 96.774,46.609 h1
  text "RX" at 30.099,45.212 h1
  text "SCL" at 96.774,44.196 h1
  text "PPS" at 30.099,42.672 h1
  text "SDA" at 96.774,41.656 h1
  text "PWN" at 30.226,33.147 h1
  text "GND" at 35.306,33.147 h1
  text "PWN" at 91.821,32.893 h1
  text "GND" at 96.774,32.893 h1

## Text inside footprints (layer, text, board x,y; h text height)
NRF24L01+: Top Overlay "3V3" at 82.677,28.448 h1.27 r180; Top Overlay "GND" at 82.677,30.988 h1.27 r180; Top Overlay "7" at 68.326,30.861 h1.27 r180; Top Overlay "8" at 68.326,28.321 h1.27 r180